# Altium PCB AC Voltage Sampling.PcbDoc
Units mm, origin at the board's own origin, x right, y up, seen from the top; angles counter-clockwise.
Board outline 51.2 x 40.03 mm, 2 copper layers (Top Layer, Bottom Layer); 31 components, 17 nets, 94 pads, 191 vias.
Unrouted connection lines stored in the file: 14.
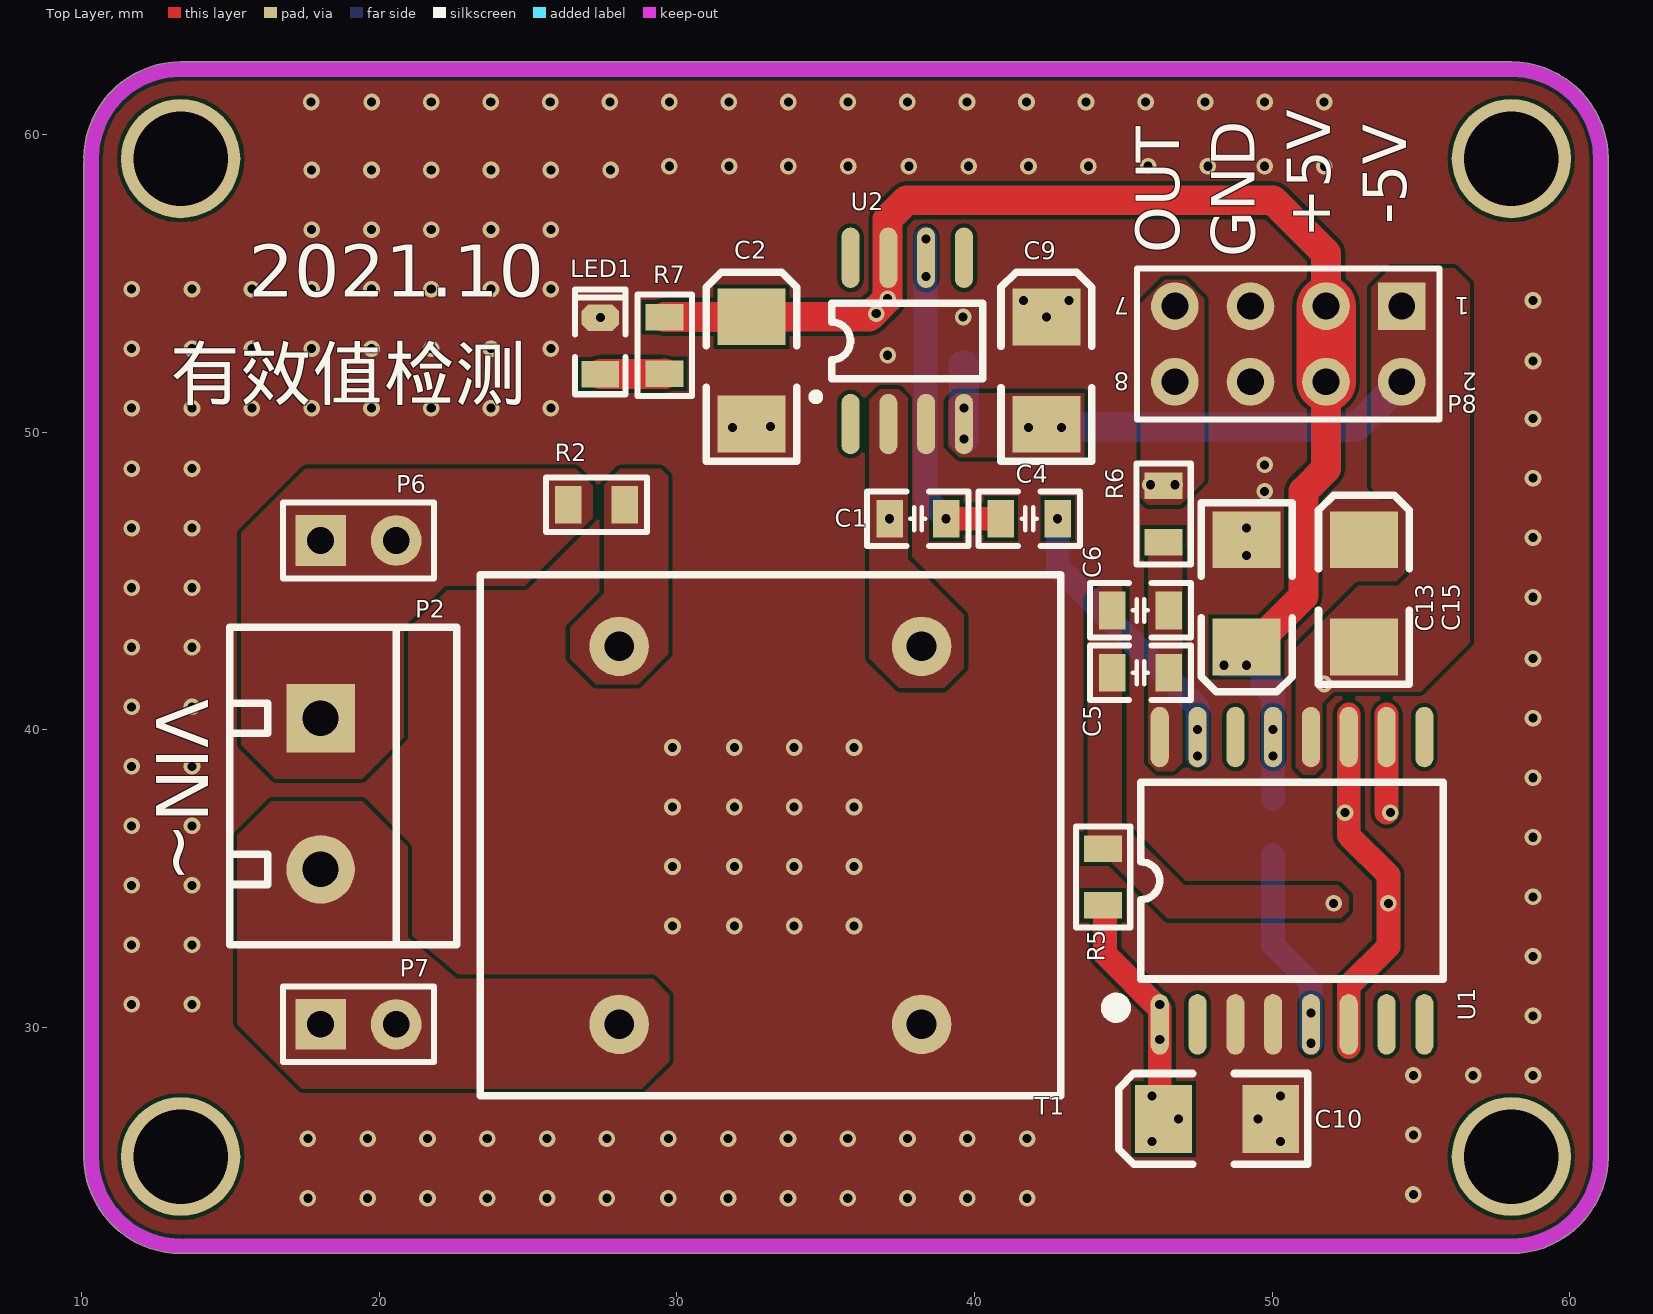
[diagram p0: Top Layer view]
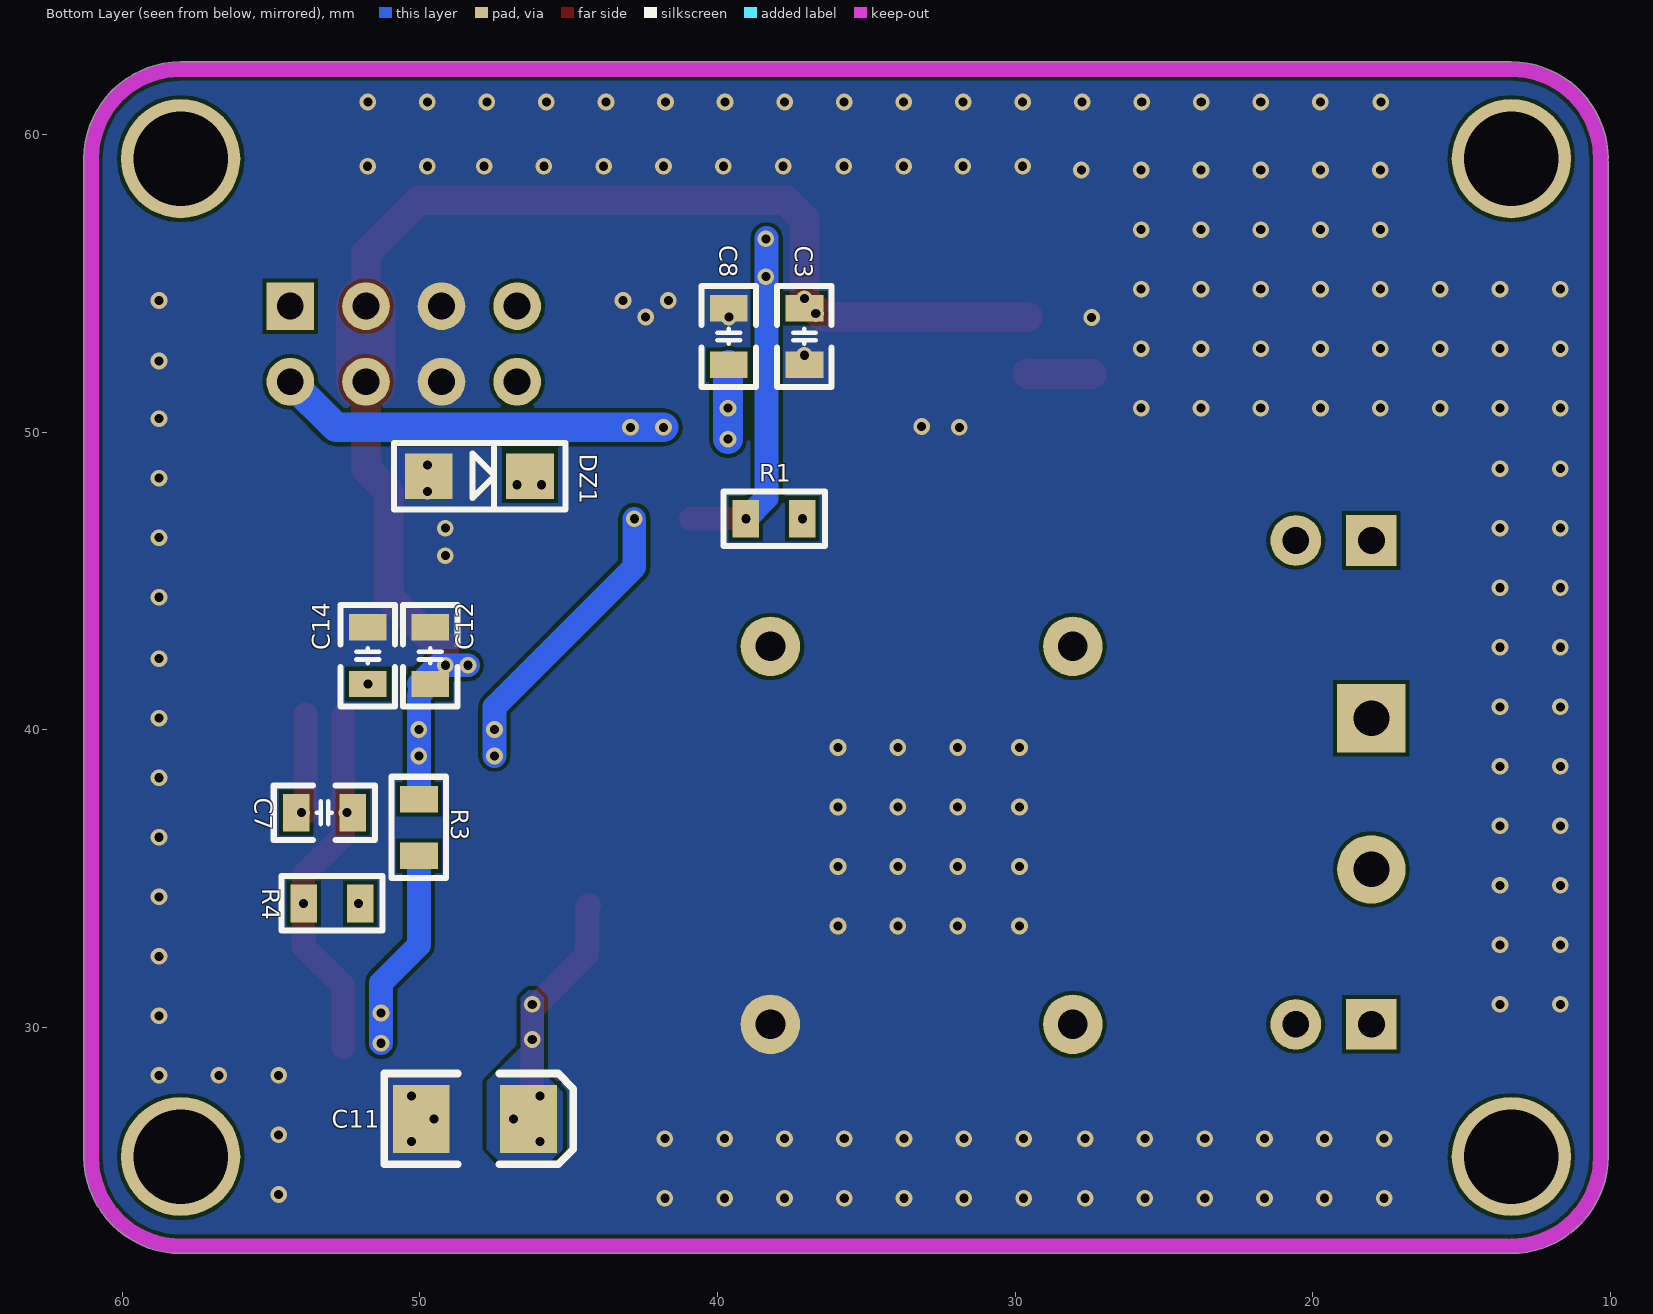
[diagram p1: Bottom Layer view, seen from below]

## Layer stack, top to bottom
Top Solder: solder mask 0.0102, Solder Resist, Dk 3.5
Top Layer: signal copper 0.0356
Dielectric 1: dielectric 0.32, FR-4, Dk 4.8
Bottom Layer: signal copper 0.0356
Bottom Solder: solder mask 0.0102, Solder Resist, Dk 3.5

## Board outline
10.085,25.654 10.085,59.103 cw(c10.335,59.103) 10.088,59.142 cw(c10.335,59.182) 10.085,59.182 cw(c13.335,59.182) 13.335,62.432 58.039,62.432 cw(c58.039,59.182) 61.289,59.182 61.289,25.654 cw(c58.039,25.654) 58.039,22.404 13.51,22.404 cw(c13.51,22.654) 13.423,22.419 cw(c13.335,22.654) 13.335,22.404 cw(c13.335,25.654)

## Design rules (kind name [scope] priority, off if disabled: settings)
Clearance [All] p1: gap=0.127 ignorepadtopadclearanceinfootprint=FALSE
HoleSize [All] p1: absolutevalues=TRUE maxlimit=10 minlimit=0 maxpercent=80.000 minpercent=20.000
PolygonConnect [All] p1: connectstyle=Direct reliefconductorwidth=0.254 reliefentries=4 polygonreliefangle="90 Angle" airgapwidth=0.254
RoutingVias [All] p1: holewidth=0.711 width=1.27 viastyle="Through Hole" minholewidth=0.711 minwidth=1.27 maxholewidth=0.711 maxwidth=1.27
SilkToSilkClearance [All] p1: silktosilkclearance=0
SilkToSolderMaskClearance [IsPad] p1: minsilkscreentomaskgap=0 clearancetoexposedcopper=TRUE
SolderMaskExpansion [All] p1: expansion=0.102
Width [All] p1: maxlimit=4 minlimit=0.254 preferedwidth=0.762
27 further rules are at their usual default settings.

## Components (designator, comment, footprint, x,y, rotation, side; value= is the part's Value field where it differs from the comment)
C1 "Cap" C0805_L 38.1,47.085 r0 top value=681pF
C2 "10uF" C_3528 32.512,52.07 r270 top
C3 "Cap" C0805_L 37.084,53.213 r270 bottom value=104
C4 "Cap" C0805_L 41.844,47.085 r0 top value=10uF
C5 "Cap" C0805_L 45.578,41.91 r0 top value=10uF
C6 "Cap" C0805_L 45.578,44.006 r0 top value=10uF
C7 "Cap" C0805_L 53.213,37.211 r180 bottom value=10uF
C8 "Cap" C0805_L 39.624,53.213 r270 bottom value=104
C9 "10uF/6.3V" C_3528 42.418,52.063 r270 top
C10 "10uF" C_3528 48.155,26.924 r0 top
C11 "10uF" C_3528 48.155,26.924 r0 bottom
C12 "Cap" C0805_L 49.657,42.484 r90 bottom value=104
C13 "10uF" C_3528 49.149,44.577 r90 top
C14 "Cap" C0805_L 51.752,42.484 r90 bottom value=104
C15 "10uF" C_3528 53.086,44.577 r270 top
DZ1 "1N4619" SOD80 48.006,48.514 r0 bottom
LED1 "" LED0805_G 27.432,52.893 r90 top
P2 "Header 2" KF301-5.0-2P 18.034,35.306 r270 top
P6 "Header 2" HDR2.54-LI-2P 19.304,46.355 r0 top
P7 "Header 2" HDR2.54-LI-2P 19.304,30.099 r0 top
P8 "Header 4X2" HDR2.54-LI-2x4P 50.546,52.959 r180 top
R1 "Res2" R0805_L 38.1,47.085 r180 bottom value=820
R2 "Res2" R0805_L 27.305,47.554 r0 top value=27k
R3 "Res2" R0805_L 50.038,36.718 r270 bottom value=4.7k
R4 "Res2" R0805_L 52.959,34.163 r0 bottom value=24k
R5 "Res2" R0805_L 44.323,35.052 r90 top value=24k
R6 "Res2" R0805_L 46.355,47.244 r90 top value=51
R7 "Res2" R0805_L 29.591,52.913 r270 top value=20K
T1 "Trans" TV1013 28.067,30.099 r0 top
U1 "AD637" SOIC-16W 46.152,30.023 r90 top
U2 "OP07" SOP8 35.814,50.292 r90 top

## Footprints (in the part's own frame and the unit in brackets; to place one, negate y for a bottom-side part, rotate by r counter-clockwise, add the part's x,y. Pads: shape width x height; smd on the part's side, far side on the other; paste and mask are expansions set on the pad)
C0805_L [mil] "无极性贴片电容"
  rect 35x50 smd: 1(-37.4,0) 2(37.4,0)
  silkscreen extent -67,-36 67,36, body extent -39,-24 39,24, height 22
C_3528 [mil] "B型贴片钽电容 长3.5mm，宽2.8mm，厚1.9mm"
  rect 75x90 smd: 1(-70.87,-0.01) 2(70.86,-0.01)
  silkscreen extent -130,-60 120,60, body extent -69,-55 69,55, height 76
HDR2.54-LI-2P [mm] "排针，2脚 封装库来自淘宝卖家 ID：黄晶宝石"
  rect 1.7x1.7 hole 0.9: 1(-1.27,0)
  round 1.7 hole 0.9: 2(1.27,0)
  silkscreen extent -2.54,-1.27 2.54,1.27, body extent -2.54,-1.27 2.54,1.27, height 2.54
HDR2.54-LI-2x4P [mm] "双排排针，4x2脚"
  rect 1.6x1.6 hole 0.9: 1(-3.81,-1.27)
  round 1.6 hole 0.9: 2(-3.81,1.27) 3(-1.27,-1.27) 4(-1.27,1.27) 5(1.27,-1.27) 6(1.27,1.27) 7(3.81,-1.27) 8(3.81,1.27)
  silkscreen extent -5.08,-2.54 5.08,2.54, body extent -5.08,-2.54 5.08,2.54, height 8.5
KF301-5.0-2P [mm] "可拼接端子/6A"
  rect 2.3x2.3 hole 1.2: 1(-5.08,0)
  round 2.3 hole 1.2: 2(0,0)
  silkscreen extent -8.13,-3.05 2.54,4.57, body extent -7.95,-3 2.55,4.6, height 3.29
LED0805_G [mil] "绿色0805LED"
  rect 35x50 smd: 1(-37.4,0)
  oct 35x50 smd: 2(37.4,0)
  silkscreen extent -64,-33 75,33, body extent -39,-25 39,25, height 32
R0805_L [mil] "1/8W贴片电阻"
  rect 35x50 smd: 1(-37.4,0) 2(37.4,0)
  silkscreen extent -67,-36 67,36, body extent -39,-25 39,25, height 20
SOD80 [mm] "LL34"
  rect 1.6x1.524 smd: 1(1.7,0) 2(-1.7,0)
  silkscreen extent -2.89,-1.12 2.87,1.12, body extent -1.83,-0.75 1.67,0.75, height 1.5
SOIC-16W [mil]
  oval 80x24 smd: 1(3,-3) 2(3,-53) 3(3,-103) 4(3,-153) 5(3,-203) 6(3,-253) 7(3,-303) 8(3,-353) 9(383,-353) 10(383,-303) 11(383,-253) 12(383,-203) 13(383,-153) 14(383,-103) 15(383,-53) 16(383,-3)
  silkscreen extent 15,-378 323,65, body extent -6,-380 400,26, height 106
SOP8 [mil]
  oval 80x24 smd: 1(-1,-1) 2(-1,-51) 3(-1,-101) 4(-1,-151) 5(219,-151) 6(219,-101) 7(219,-51) 8(219,-1)
  silkscreen extent 30,-176 159,50, body extent -12,-173 225,24, height 75
TV1013 [mm]
  round 2 hole 1: 1(0,12.7) 2(0,0) 3(10.16,0) 4(10.16,12.7)
  silkscreen extent -4.67,-2.4 14.83,15.1, body extent -4.7,-2.41 14.86,15.11, height 19

## Part data
C1 C3 C4 C5 C6 C7 C8 C12 C14: "Capacitor", LatestRevisionDate=17-Jul-2002, LatestRevisionNote="Re-released for DXP Platform.", PackageDescription="Radial Cap, Thru-Hole; 2 Leads; 0.3 in Pin Spacing", PackageReference=RAD-0.3, Published=8-Jun-2000, Publisher="Altium Limited"
C2 C9 C10 C11 C13 C15: library part CT, "贴片钽电容"
DZ1: "3V/0.5W稳压管", BOM名称=3V/0.5W稳, 联系卖家，免费查找封装=唯一出售店铺网址https://shop
LED1: library part LED-SMD, "贴片LED", BOM名称=贴片, 封装库来自淘宝卖家 ID：黄晶宝石=其他
P2 P6 P7: "Header, 2-Pin", LatestRevisionDate=17-Jul-2002, LatestRevisionNote="Re-released for DXP Platform.", Publisher="Altium Limited"
P8: "4*2P接插件"
R1 R2 R3 R4 R5 R6 R7: "Resistor", LatestRevisionDate=17-Jul-2002, LatestRevisionNote="Re-released for DXP Platform.", PackageDescription="Axial Device, Thru-Hole; 2 Leads; 0.4 in Pin Spacing", PackageReference=AXIAL-0.4, Published=8-Jun-2000, Publisher="Altium Limited"
T1: "Transformer", LatestRevisionDate=08-Jul-2005, LatestRevisionNote="Mech Layer 1 removed.", PackageDescription="Transformer; 4 Leads", PackageReference=TRANS, Published=24-Mar-1999, Publisher="Altium Limited"
U1: library part AD637(16p), "16脚贴片"

## Free pads (board coordinates)
  round 4 hole 3.175: 4(13.335,25.654) 4(13.335,59.182) 4(58.039,25.654) 4(58.039,59.182)

## Via types
v1: diameter 0.559, hole 0.305, Top Layer to Bottom Layer, tented both sides, 191 vias

## Nets (pads, with @x,y where several pads share a name; then routed paths per layer and width w, separated by ;. In a path a pad name is that pad's centre, name@x,y a point inside that pad or via, vN(x,y) a via of type N, cw(c..) or ccw(c..) an arc to the next point about the centre after c; other vN are vias at no path point)
+5V: C2.1 C3.1 C12.1 C13.1 P8.3 P8.4 R3.1 R7.1 U1.13 U2.7 | length 46.6
  Top Layer w1: R7.1 29.595,53.867 32.508,53.867 C2.1 36.471,53.87 v1(37.084,54.483) 37.084,57.15 37.719,57.785 50.038,57.785 51.816,56.007 P8.3 ; C13.1 49.34,42.777 51.054,44.491 51.054,48.006 51.816,48.768 P8.4
  Top Layer w2: P8.4 P8.3
  Bottom Layer w0.8: v1(48.387,42.164) v1(49.149,42.164) 49.403,42.164 C12.1@50.038,41.529 ; C12.1 49.847,41.534 49.892,41.49 49.892,41.299 50.038,41.153 R3.1
  other v1: 50.038,39.116 50.038,40.005 36.703,53.975
-5V: C8.2 C9.2 C14.1 C15.2 P8.1 P8.2 U1.12 U2.4 | length 15.7
  Bottom Layer w1: C8.2 39.649,52.238 v1(39.649,49.759) ; v1(41.819,50.158) 52.825,50.158 P8.2
  other v1: 51.752,41.534 42.926,50.158 39.649,50.8
GND: C2.2 C3.2 C8.1 C9.1 C10.2 C11.2 C12.2 C13.2 C14.2 C15.1 DZ1.1 LED1.2 P8.5 P8.6 T1.3 U1.3 U1.4 U2.3
  other v1: 17.607,24.257 19.616,24.257 21.626,24.257 23.635,24.257 25.644,24.257 27.653,24.257 29.718,24.257 31.727,24.257 33.736,24.257 35.745,24.257 37.755,24.257 39.764,24.257 41.773,24.257 54.75,24.384 50.292,26.162 17.607,26.257 19.616,26.257 21.626,26.257 23.635,26.257 25.644,26.257 27.653,26.257 29.718,26.257 31.727,26.257 33.736,26.257 35.745,26.257 37.755,26.257 39.764,26.257 41.773,26.257 54.75,26.384 49.53,26.924 50.292,27.686 54.75,28.384 56.759,28.384 58.768,28.384 58.768,30.384 11.684,30.768 13.716,30.768 58.768,32.384 11.684,32.768 13.716,32.768 29.858,33.401 31.935,33.401 33.945,33.401 35.954,33.401 58.768,34.385 11.684,34.768 13.716,34.768 29.858,35.401 31.935,35.401 33.945,35.401 35.954,35.401 58.768,36.384 11.684,36.768 13.716,36.768 29.858,37.401 31.935,37.401 33.945,37.401 35.954,37.401 58.768,38.385 11.684,38.768 13.716,38.768 29.858,39.402 31.935,39.402 33.945,39.402 35.954,39.402 58.768,40.384 11.684,40.768 13.716,40.768 58.768,42.384 11.684,42.768 13.716,42.768 58.768,44.449 11.684,44.768 13.716,44.768 49.149,45.847 58.768,46.45 11.684,46.768 13.716,46.768 49.149,46.768 49.752,48.006 58.768,48.449 11.684,48.768 13.716,48.768 49.752,48.895 31.877,50.158 33.147,50.187 58.768,50.45 11.684,50.8 13.716,50.8 15.725,50.8 17.734,50.8 19.743,50.8 21.753,50.8 23.762,50.8 25.771,50.8 58.768,52.385 37.084,52.578 11.684,52.8 13.716,52.8 15.725,52.8 17.734,52.8 19.743,52.8 21.753,52.8 23.762,52.8 25.771,52.8 27.432,53.848 39.624,53.863 42.418,53.863 41.656,54.417 43.18,54.417 58.768,54.417 11.684,54.8 13.716,54.8 15.725,54.8 17.734,54.8 19.743,54.8 21.753,54.8 23.762,54.8 25.771,54.8 17.734,56.801 19.743,56.801 21.753,56.801 23.762,56.801 25.771,56.801 17.734,58.801 19.743,58.801 21.753,58.801 23.762,58.801 25.771,58.801 27.78,58.801 29.751,58.928 31.76,58.928 33.751,58.928 35.76,58.928 37.8,58.928 39.809,58.928 41.819,58.928 43.828,58.928 45.837,58.928 47.846,58.928 49.752,58.928 51.761,58.928 17.719,61.087 19.751,61.087 21.751,61.087 23.751,61.087 25.751,61.087 27.751,61.087 29.751,61.087 31.751,61.087 33.751,61.087 35.751,61.087 37.751,61.087 39.751,61.087 41.751,61.087 43.751,61.087 45.752,61.087 47.752,61.087 49.752,61.087 51.752,61.087
NetC1_1: C1.1 R1.2 T1.4 U2.2
  other v1: 37.15,47.085
NetC1_2: C1.2 C4.1 R1.1 U2.6 | length 11.6
  Top Layer w0.8: C1.2@39.066,47.101 v1(39.05,47.085) C4.1
  Bottom Layer w0.8: v1@38.354,56.515 38.354,47.781 v1(39.05,47.085)
  other v1: 38.379,55.22 38.379,56.49
NetC4_2: C4.2 U1.15 | length 9.9
  Bottom Layer w0.8: v1(42.799,47.085) 42.799,45.466 47.498,40.767 v1(47.498,40.005) v1(47.498,39.116)
NetC5_1: C5.1 C6.1 R4.1 R5.2
  other v1: 52.07,34.163
NetC5_2: C5.2 C6.2 R6.1 U1.16
NetC7_1: C7.1 U1.10 | length 3.3
  Top Layer w0.8: v1@53.848,37.211 U1.10 U1.10@53.848,40.513
  other v1: 53.975,37.211
NetC7_2: C7.2 R4.2 U1.6 U1.11 | length 12.3
  Top Layer w0.8: U1.6@52.578,29.337 U1.6 52.578,31.387 53.909,32.718 v1(53.909,34.163) 53.909,35.118 52.578,36.449 U1.11 U1.11@52.578,40.513
  other v1: 52.451,37.211
NetC10_1: C10.1 C11.1 R5.1 U1.1 | length 8
  Top Layer w0.8: R5.1 44.346,34.102 44.39,34.057 44.39,32.457 46.228,30.62 U1.1 46.228,27.051 C10.1
  other v1: 45.974,26.162 46.863,26.924 45.974,27.686 46.228,29.591 46.228,30.768
NetLED1_1: LED1.1 R7.2 | length 2.2
  Top Layer w1: LED1.1 27.442,51.953 29.581,51.953 R7.2
NetP2_1: P2.1 P6.1 P6.2 R2.1
NetP2_2: P2.2 P7.1 P7.2 T1.2
NetR2_2: R2.2 T1.1
NetR3_2: R3.2 U1.5 | length 6.8
  Bottom Layer w0.8: R3.2 50.038,32.766 51.308,31.496 v1(51.308,29.464)
  other v1: 51.308,30.48
OUT: DZ1.2 P8.7 P8.8 R6.2
  other v1: 45.919,48.228 46.736,48.228
pads on no net: U1.2 U1.7 U1.8 U1.9 U1.14 U2.1 U2.5 U2.8

## Polygon pours and split planes (outlines as drawn)
GND on Top Layer "Top Layer-No Net1" (solid, pour order 92): 10.085,25.654 10.085,59.103 cw(c10.335,59.103) 10.088,59.142 cw(c10.335,59.182) 10.085,59.182 cw(c13.335,59.182) 13.335,62.432 58.039,62.432 cw(c58.039,59.182) 61.289,59.182 61.289,25.654 cw(c58.039,25.654) 58.039,22.404 13.51,22.404 cw(c13.51,22.654) 13.423,22.419 cw(c13.335,22.654) 13.335,22.404 cw(c13.335,25.654)
NetC1_1 on Top Layer "Top Layer-NetC1_1" (solid, pour order 79): 37.465,41.402 38.989,41.402 39.649,42.062 39.649,43.853 37.755,45.748 37.755,51.145 37.465,51.435 36.83,51.435 36.471,51.076 36.471,42.396
-5V on Top Layer "Top Layer--5V" (solid, pour order 55): 53.34,54.864 53.975,55.499 56.134,55.499 56.642,54.991 56.642,42.926 54.991,41.275 52.07,41.275 51.689,40.894 51.689,38.735 51.435,38.481 51.054,38.481 50.8,38.735 50.8,42.734 52.897,44.831 54.229,44.831 54.61,45.212 54.61,47.498 54.229,47.879 53.594,47.879 53.34,48.133
OUT on Top Layer "Top Layer-OUT" (solid, pour order 65): 45.831,47.554 46.919,47.554 47.716,48.351 47.716,54.483 47.081,55.118 46.391,55.118 45.593,54.32 45.593,47.791
NetC5_2 on Top Layer "Top Layer-NetC5_2" (solid, pour order 63): 45.99,46.228 46.863,46.228 46.99,46.101 46.99,38.895 46.703,38.608 46.134,38.608 45.847,38.895 45.847,46.084
NetC5_1 on Top Layer "Top Layer-NetC5_1" (solid, pour order 53): 43.815,44.45 44.196,44.831 44.958,44.831 44.958,36.863 47.053,34.768 52.227,34.768 52.578,34.417 52.578,33.909 52.324,33.655 46.482,33.655 44.577,35.56 44.217,35.56 43.815,35.904
-5V on Top Layer "Top Layer--5V 1" (solid, pour order 30): 39.497,49.149 42.164,49.149 42.799,49.149 43.688,49.149 43.688,51.308 39.37,51.308 39.116,51.054 39.116,49.53
NetR2_2 on Top Layer "Top Layer-NetR2_2" (solid, pour order 41): 27.559,48.228 28.099,48.768 29.464,48.768 29.718,48.514 29.718,42.545 28.702,41.529 27.273,41.529 26.416,42.386 26.416,43.434 27.559,44.577
NetP2_1 on Top Layer "Top Layer-NetP2_1" (solid, pour order 2): 19.431,38.354 16.51,38.354 15.367,39.497 15.367,46.609 17.526,48.768 26.605,48.768 27.178,48.195 27.178,47.117 24.892,44.831 22.225,44.831 20.828,43.434 20.828,39.751
NetP2_2 on Top Layer "Top Layer-NetP2_2" (solid, pour order 0): 15.24,36.449 16.383,37.592 19.431,37.592 20.955,36.068 20.955,33.02 22.606,31.623 25.908,31.623 29.21,31.623 29.751,31.082 29.751,28.862 28.829,27.94 17.399,27.94 15.24,30.099
GND on Bottom Layer "Top Layer-No Net" (solid, remove dead copper, pour order 91): 10.085,25.654 10.085,59.103 cw(c10.335,59.103) 10.088,59.142 cw(c10.335,59.182) 10.085,59.182 cw(c13.335,59.182) 13.335,62.432 58.039,62.432 cw(c58.039,59.182) 61.289,59.182 61.289,25.654 cw(c58.039,25.654) 58.039,22.404 13.51,22.404 cw(c13.51,22.654) 13.423,22.419 cw(c13.335,22.654) 13.335,22.404 cw(c13.335,25.654)
NetC10_1 on Bottom Layer "Bottom Layer-NetC10_1" (solid, pour order 20): 45.593,25.527 47.371,25.527 47.752,25.908 47.752,28.194 46.609,29.337 46.609,30.988 46.355,31.242 46.101,31.242 45.847,30.988 45.847,28.448 45.212,27.813 45.212,25.908

## Keep-outs
Keep-Out Layer:
  region: 12.192,22.654
  lines w0.5: 10.335,59.103 10.335,25.654 ccw(c13.335,25.654) 13.335,22.654 ; 10.335,59.182 cw(c13.335,59.182) 13.335,62.182 58.039,62.182 cw(c58.039,59.182) 61.039,59.182 61.039,25.654 cw(c58.039,25.654) 58.039,22.654 13.51,22.654

## Silkscreen, mask and mechanical layers (free items; w line width, h text height)
Top Overlay:
  text "-5V" at 54.991,56.985 h2.5 r90
  text "+5V" at 52.451,56.509 h2.5 r90
  text "OUT" at 47.371,56.007 h2.5 r90
  text "GND" at 49.911,55.868 h2.5 r90
  text "2021.10" at 15.621,53.975 h3
  text "有效值检测" at 12.954,50.546 h3
  text "VIN~" at 11.938,41.021 h3 r270

## Text inside footprints (layer, text, board x,y; h text height)
P8: Top Overlay "8" at 45.212,52.197 h1 r180; Top Overlay "1" at 56.642,54.737 h1 r180; Top Overlay "2" at 56.896,52.197 h1 r180; Top Overlay "7" at 45.212,54.737 h1 r180